# Altium PCB SupBigBrrg_0.PcbDoc (part 27 of 29)
Units mm, origin at the board's own origin, x right, y up, seen from the top; angles counter-clockwise.
Board outline 400 x 344 mm, 6 copper layers (TopLayer, PlaneGnd, PlanePwr, MidLayer3, MidLayer4, BottomLayer); 1288 components, 1323 nets, 5024 pads, 1078 vias.
Unrouted connection lines stored in the file: 1824.
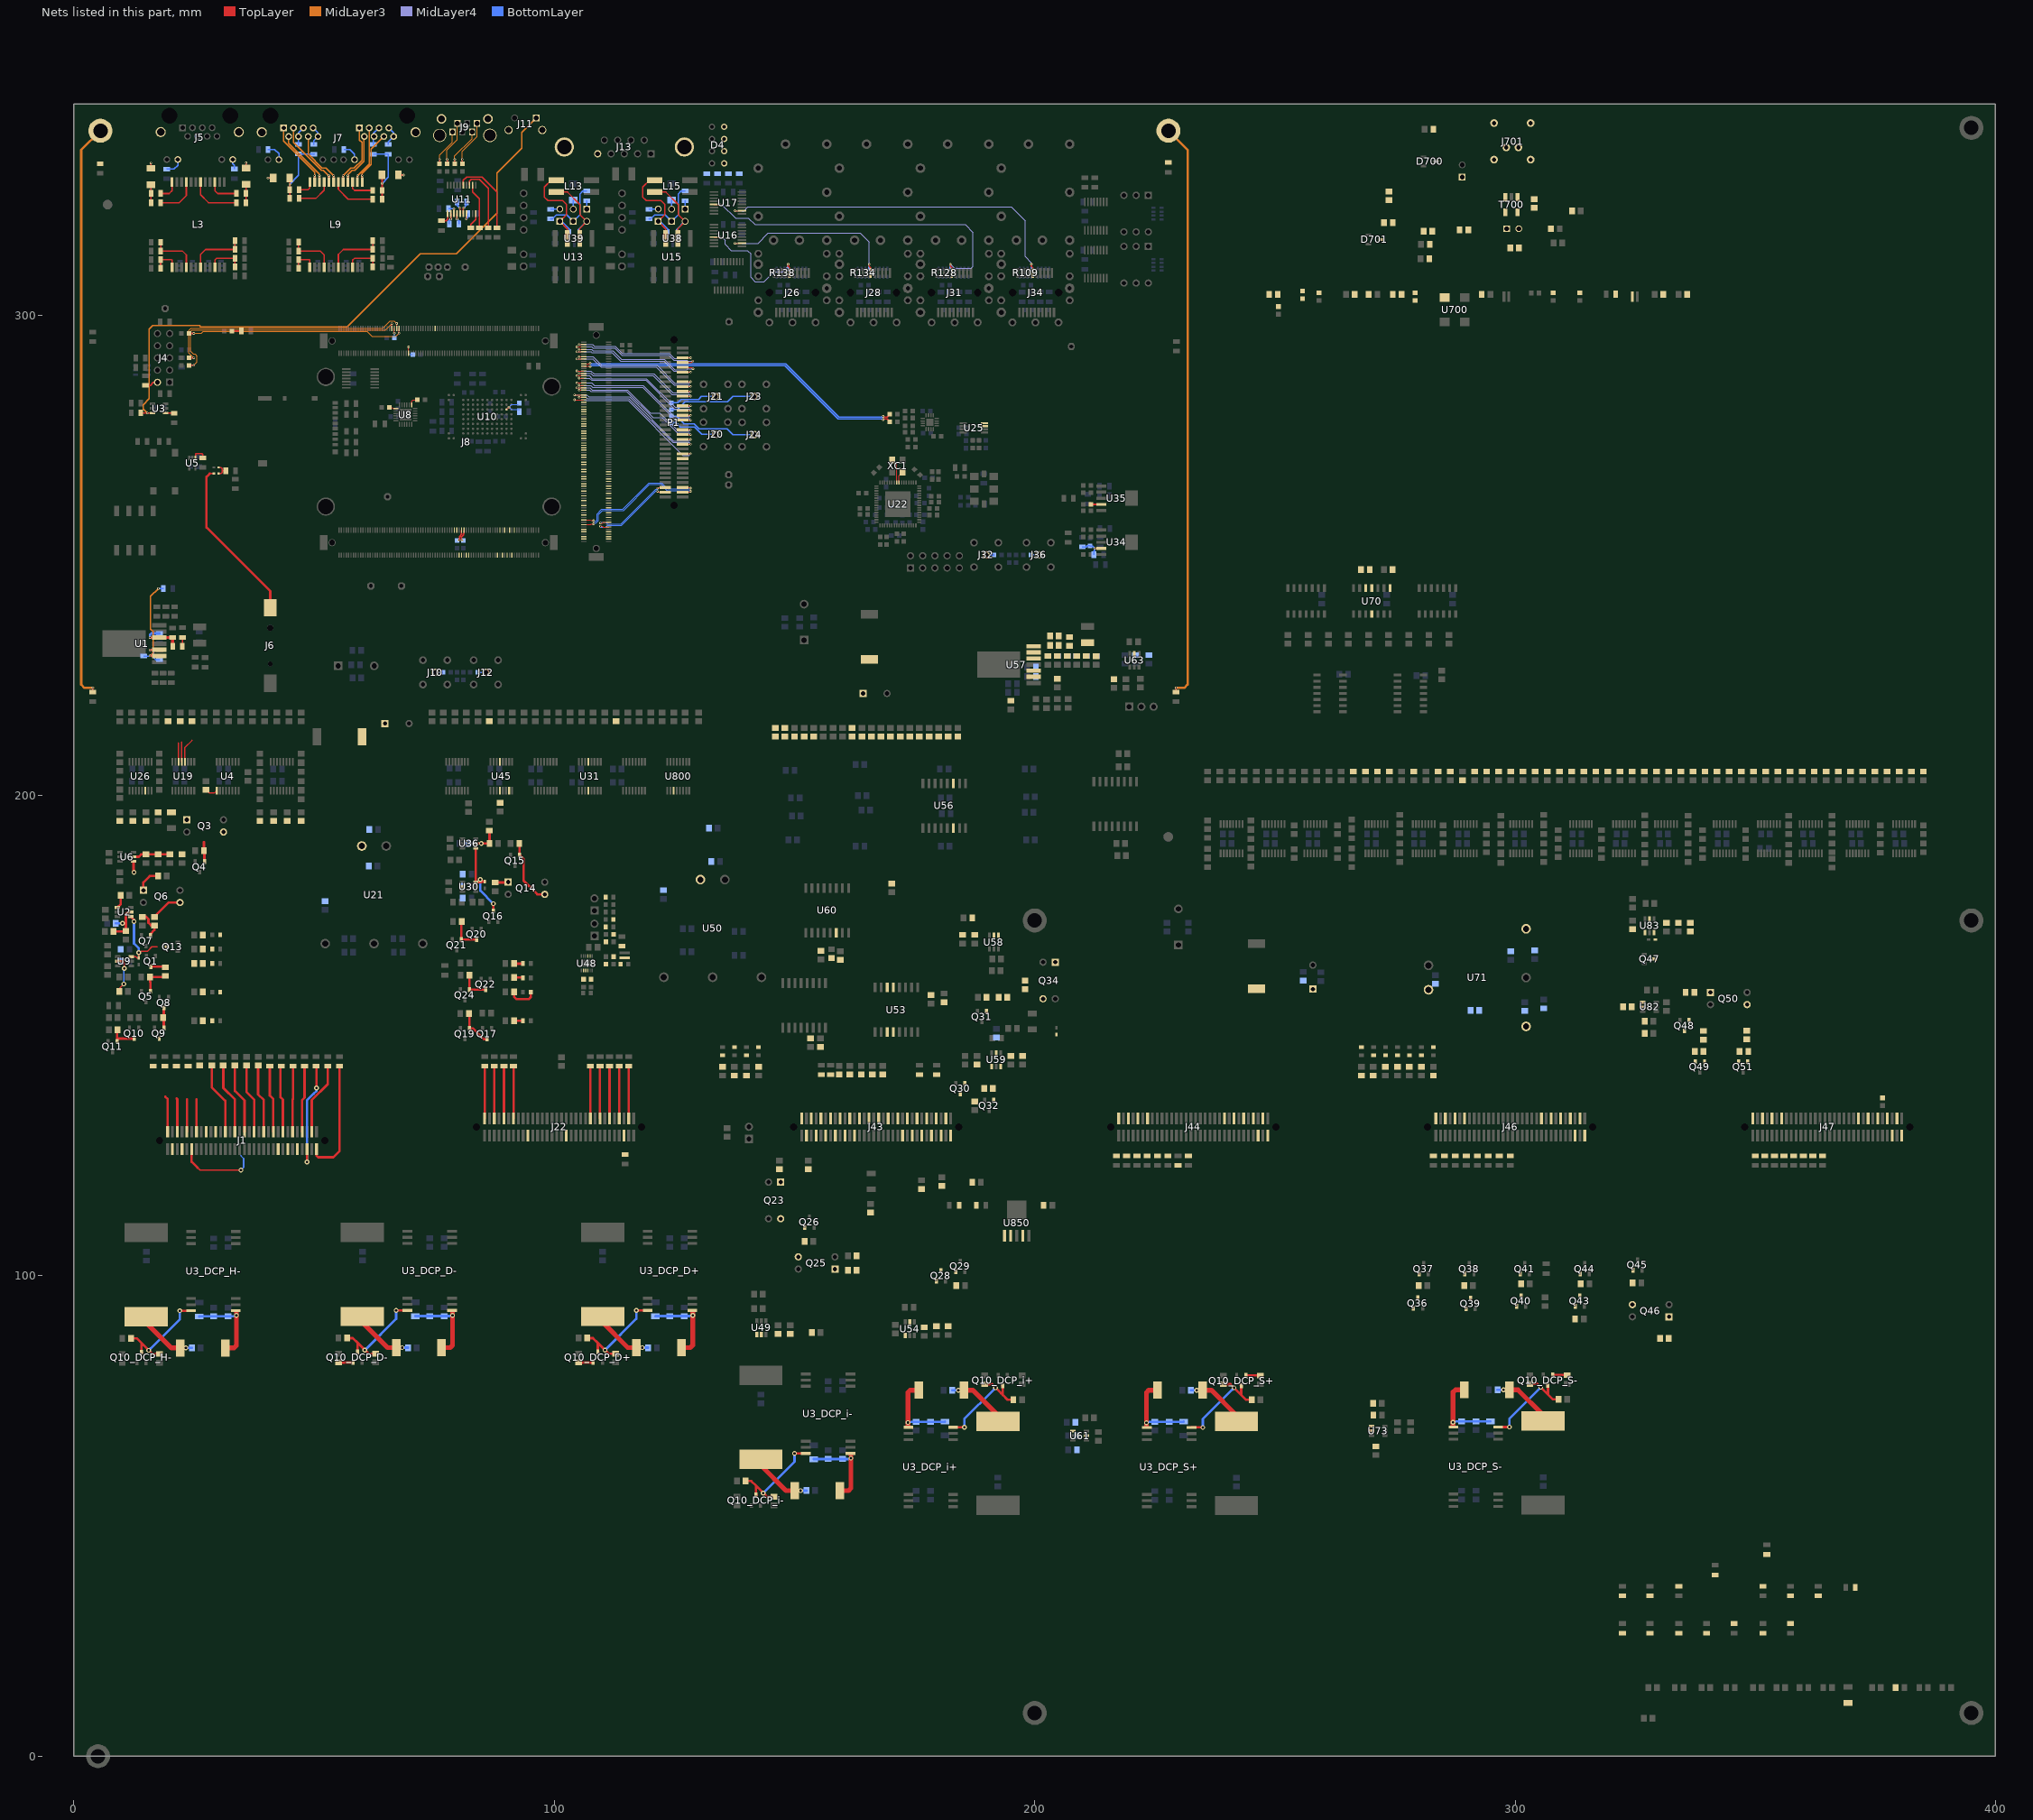
[diagram p31: the nets of this part, all layers, seen from the top]

## Via types
v1: diameter 0.5, hole 0.2, TopLayer to BottomLayer, tented both sides, 972 vias
v2: diameter 1, hole 0.5, TopLayer to BottomLayer, 104 vias
v3: diameter 0.5, hole 0.2, TopLayer to BottomLayer, 2 vias

## Nets (pads, with @x,y where several pads share a name; then routed paths per layer and width w, separated by ;. In a path a pad name is that pad's centre, name@x,y a point inside that pad or via, vN(x,y) a via of type N, cw(c..) or ccw(c..) an arc to the next point about the centre after c; other vN are vias at no path point) (continued)
IO_CL_FX1: J8.C3 R502.2
IO_CL_FX2: J8.C5 R503.2
IO_CL_FX3: J8.C7 R506.2
IO_CL_FX4: J8.C9 R507.2
IO_CL_FX5: J8.C21 R508.2
IO_CL_FX6: J8.C25 R509.2
IO_CL_FX7: J8.C29 R492.2
IO_CL_FX8: J8.C33 R493.2
IO_CL_FX9: J8.C37 R494.2
IO_CL_FX10: J8.C41 R495.2
IO_CL_FX11: J8.C45 U70.11
IO_CL_FX12: J8.C47
IO_CL_FX13: J8.C51
IO_CL_FX14: J8.C53
IO_CL_FX15: J8.C57
IO_CL_FX16: J8.C59
IO_CLK4N_AL26: J8.A87
IO_CR1: J8.C66 R403.2
IO_CR2: J8.C68 R409.2
IO_CR3: J8.C72 R414.2
IO_CR4: J8.C74 R415.1
IO_CR5: J8.C78 R417.2
IO_CR6: J8.C80 R420.2
IO_CR7: J8.C82 R382.2
IO_CR8: J8.C84 R384.2
IO_CR9: J8.C88 R389.2
IO_CR10: J8.C90 R393.2
IO_CR11: J8.C92 R444.2
IO_CR12: J8.C94 R447.2
IO_CR13: J8.C98 R448.2
IO_CR14: J8.C100 R450.2
IO_CR15: J8.C102 R435.2
IO_CR16: J8.C104 R439.2
IO_CR17: J8.C108 R441.2
IO_CR18: J8.C110 R443.2
IO_CR19: J8.C112 R421.2
IO_CR20: J8.C114 R426.2
IO_CR21: J8.C118 P1.17
IO_CR22: J8.C120 P1.19 | length 32.7
  TopLayer w0.15: v1(104.2,282.4) J8.C120@106.125,282.4 ; P1.19@126.7,271.15 v1(128.375,271.15)
  MidLayer4 w0.15: v1@104.2,282.395 106.58,282.395 106.7,282.275 115.345,282.275 126.78,270.84 128.065,270.84 v1(128.375,271.15)
IO_CR23: J8.C122 P1.23 | length 29.9
  TopLayer w0.15: v1(105.175,282.9) J8.C122@106.125,282.9 ; P1.23@126.7,273.15 v1(128.375,273.15)
  MidLayer4 w0.15: v1(105.175,282.9) 106.575,282.9 106.85,282.625 115.525,282.625 124.66,273.49 128.035,273.49 v1(128.375,273.15)
IO_CR24: J8.C124 P1.25 | length 31.9
  TopLayer w0.15: v1(104.2,283.4) J8.C124@106.125,283.4 ; P1.25@126.7,274.15 v1(128.375,274.15)
  MidLayer4 w0.15: v1(104.2,283.4) 106.775,283.4 107.2,282.975 115.67,282.975 124.805,273.84 128.065,273.84 v1(128.375,274.15)
IO_CR25: J8.C128 P1.27 | length 29.7
  TopLayer w0.15: v1(105.175,284.4) J8.C128@106.125,284.4 ; P1.27@126.7,275.15 v1(128.375,275.15)
  MidLayer4 w0.15: v1(105.175,284.4) 107.35,284.4 107.625,284.125 115.05,284.125 120.525,278.65 122.475,278.65 125.635,275.49 128.035,275.49 v1(128.375,275.15)
IO_CR26: J8.C130 P1.29 | length 30.7
  TopLayer w0.15: v1(104.7,284.9) J8.C130@106.125,284.9 ; P1.29@126.7,276.15 v1(128.375,276.15)
  MidLayer4 w0.15: v1(104.7,284.9) 107.45,284.9 107.904,284.446 115.183,284.446 119.979,279.65 121.97,279.65 125.78,275.84 128.065,275.84 v1(128.375,276.15)
IO_CR27: J8.C132 P1.33 | length 28.8
  TopLayer w0.15: v1(105.175,285.4) J8.C132@106.125,285.4 ; P1.33@126.7,278.15 v1(128.375,278.15)
  MidLayer4 w0.15: v1(105.175,285.4) 107.575,285.4 108,284.975 118.375,284.975 124.86,278.49 128.035,278.49 v1(128.375,278.15)
IO_CR28: J8.C134 P1.35 | length 29.8
  TopLayer w0.15: v1(104.7,285.9) J8.C134@106.125,285.9 ; P1.35@126.7,279.15 v1(128.375,279.15)
  MidLayer4 w0.15: v1(104.7,285.9) 107.775,285.9 108.35,285.325 118.52,285.325 125.005,278.84 128.065,278.84 v1(128.375,279.15)
IO_CR29: J8.C138 P1.37 | length 28.6
  TopLayer w0.15: v1(105.175,286.9) J8.C138@106.125,286.9 ; P1.37@126.7,280.15 v1(128.375,280.15)
  MidLayer4 w0.15: v1(105.175,286.9) 107.325,286.9 107.775,286.45 119.025,286.45 124.985,280.49 128.035,280.49 v1(128.375,280.15)
IO_CR30: J8.C140 P1.39 | length 29.6
  TopLayer w0.15: v1(104.7,287.4) J8.C140@106.125,287.4 ; P1.39@126.7,281.15 v1(128.375,281.15)
  MidLayer4 w0.15: v1(104.7,287.4) 107.3,287.4 107.9,286.8 119.17,286.8 125.13,280.84 128.065,280.84 v1(128.375,281.15)
IO_CR31: J8.C142 P1.43 | length 27.8
  TopLayer w0.15: v1(105.175,287.9) J8.C142@106.125,287.9 ; P1.43@126.7,283.15 v1(128.375,283.15)
  MidLayer4 w0.15: v1(105.175,287.9) 107.625,287.9 108.075,287.45 120.575,287.45 124.535,283.49 128.035,283.49 v1(128.375,283.15)
IO_CR32: J8.C144 P1.45 | length 28.8
  TopLayer w0.15: v1(104.7,288.4) J8.C144@106.125,288.4 ; P1.45@126.7,284.15 v1(128.375,284.15)
  MidLayer4 w0.15: v1(104.7,288.4) 107.625,288.4 108.225,287.8 120.72,287.8 124.68,283.84 128.065,283.84 v1(128.375,284.15)
IO_CR33: C41.2 J8.C148 | length 68.7
  TopLayer w0.15: J8.C148@106.125,289.4 107.378,289.4 v1(107.45,289.327)
  TopLayer w0.25: v1(168.425,278.265) 168.548,278.388 169.313,278.388 C41.2@169.825,277.875
  BottomLayer w0.25: v1(107.45,289.327) 107.573,289.45 108.05,289.45 148.011,289.45 159.074,278.388 168.303,278.388 v1(168.425,278.265)
IO_CR34: C42.2 J8.C150 | length 68.7
  TopLayer w0.15: J8.C150@106.125,289.9 107.353,289.9 v1(107.45,289.997)
  TopLayer w0.25: v1(168.425,278.935) 168.548,278.813 169.313,278.813 C42.2@169.825,279.325
  BottomLayer w0.25: v1(107.45,289.997) 107.573,289.875 108.05,289.875 148.188,289.875 159.25,278.813 168.303,278.813 v1(168.425,278.935)
IO_CR35: J8.C154 P1.47 | length 29.2
  TopLayer w0.15: v1(104.7,290.9) J8.C154@106.125,290.9 ; P1.47@126.7,285.15 v1(128.375,285.15)
  MidLayer4 w0.15: v1(104.7,290.9) 108.025,290.9 108.175,290.75 109.725,289.2 121.25,289.2 124.96,285.49 128.035,285.49 v1(128.375,285.15)
IO_CR36: J8.C156 P1.49 | length 28.3
  TopLayer w0.15: v1(105.175,291.4) J8.C156@106.125,291.4 ; P1.49@126.7,286.15 v1(128.375,286.15)
  MidLayer4 w0.15: v1(105.175,291.4) 108.041,291.4 108.433,291.008 ; 108.423,290.997 109.87,289.55 121.395,289.55 125.105,285.84 128.065,285.84 v1(128.375,286.15)
IO_CR37: J8.C160 P1.53 | length 28.5
  TopLayer w0.15: v1(104.7,292.4) J8.C160@106.125,292.4 ; P1.53@126.7,288.15 v1(128.375,288.15)
  MidLayer4 w0.15: v1(104.7,292.4) 107.65,292.4 107.825,292.225 112.03,292.225 113.83,290.425 122.8,290.425 124.885,288.34 127.585,288.34 127.775,288.15 v1(128.375,288.15)
IO_CR38: J8.C162 P1.55 | length 28.8
  TopLayer w0.15: v1(105.175,292.9) J8.C162@106.125,292.9 ; P1.55@126.7,289.15 128.575,289.15 v1(128.875,288.85)
  MidLayer4 w0.15: v1(105.175,292.9) 107.75,292.9 108.075,292.575 112.175,292.575 113.975,290.775 122.945,290.775 125.03,288.69 127.615,288.69 127.775,288.85 v1(128.875,288.85)
IO_CR39: J8.C164 P1.57 | length 29.1
  TopLayer w0.15: v1(104.7,293.4) J8.C164@106.125,293.4 ; P1.57@126.7,290.15 128.525,290.15 v1(128.825,290.45)
  MidLayer4 w0.15: v1(104.7,293.4) 107.825,293.4 108.075,293.15 112.55,293.15 114.05,291.65 123.8,291.65 124.84,290.61 127.615,290.61 127.775,290.45 v1@128.875,290.45
IO_CR40: J8.C166 P1.59 | length 27.1
  TopLayer w0.15: v1(105.175,293.9) J8.C166@106.125,293.9 ; P1.59@126.7,291.15 v1(128.375,291.15)
  MidLayer4 w0.15: v1(105.175,293.9) 107.925,293.9 108.325,293.5 112.695,293.5 114.195,292 123.945,292 124.985,290.96 127.585,290.96 127.775,291.15 v1(128.375,291.15)
IO_CR_FX1: J8.C4 R428.2
IO_CR_FX2: J8.C6 R430.2
IO_CR_FX3: J8.C10 R481.2
IO_CR_FX4: J8.C12 R485.2
IO_CR_FX5: J8.C24 R486.2
IO_CR_FX6: J8.C28 R487.2
IO_CR_FX7: J8.C32 R472.2
IO_CR_FX8: J8.C36 R477.2
IO_CR_FX9: J8.C40 R478.2
IO_CR_FX10: J8.C44 R479.2
IO_CR_FX11: J8.C48 R453.2
IO_CR_FX12: J8.C50 R460.2
IO_CR_FX13: J8.C54 R463.2
IO_CR_FX14: J8.C56 R465.2
IO_CR_FX15: J8.C60 R500.2
IO_CR_FX16: J8.C62 R501.2
IO_int4: R293.1
IO_int5: R291.1
IO_int6: R278.1
IO_int7: R277.1
IO_int8: R280.1
IO_int9: R282.1
IO_int10: R281.1
IO_int11: R308.1
IO_int12: R306.1
IO_int13: R311.1
IO_int14: R317.1
IO_int15: R313.1
IO_int16: R298.1
IO_int17: R296.1
IO_int18: R300.1
IO_int19: R304.1
IO_int20: R301.1
IO_UPDT: R228.1 U31.13
IO_UPDTdds: J22.30 U31.4
iPOK: C95.1 Q28.1 Q30.1 R279.1 R322.2 R334.1 R850.2 U59.1 U60.6
JTAG_P\R\S\N\T\: J4.2 R11.1 | length 2.8
  TopLayer w0.25: R11.1@14.875,285.375 15.875,285.375 16.52,286.02 J4.2@17.38,286.02
JTAG_TCK: J8.A123 R18.1 | length 52.7
  TopLayer w0.15: J8.A123@66.175,297.25 v1(66.175,298.25)
  TopLayer w0.3: R18.1@23.96,289.56 v1(24.94,289.56)
  MidLayer3 w0.15: v1(24.94,289.56) 25.625,290.245 25.625,291.5 25.175,291.95 24.825,291.95 24.245,292.53 24.245,296.645 24.525,296.925 64.85,296.925 v1(66.175,298.25)
JTAG_TDI: J8.A117 R20.1 | length 45.5
  TopLayer w0.15: v1(67.675,296.25) J8.A117@67.675,297.25
  TopLayer w0.3: R20.1@23.96,296.21 v1(24.94,296.21)
  MidLayer3 w0.15: v1(24.94,296.21) 26.51,296.21 26.89,296.59 61.03,296.59 61.995,295.625 67.05,295.625 v1(67.675,296.25)
JTAG_TDO: J8.A121 R177.1 | length 1.8
  TopLayer w0.15: v1(66.675,296.25) J8.A121@66.675,297.25
  BottomLayer w0.15: R177.1@66.7,295.425 v1@66.7,296.275
JTAG_TMS: J8.A119 R19.1 | length 52.4
  TopLayer w0.15: J8.A119@67.175,297.25 v1(67.175,298.275)
  TopLayer w0.3: R19.1@23.96,291.11 v1(24.94,291.11)
  MidLayer3 w0.15: v1(24.94,291.11) 23.925,292.125 23.925,296.778 24.392,297.245 64.295,297.245 65.825,298.775 66.675,298.775 v1(67.175,298.275)
M_RST: R259.1 U45.13
M_RSTdds: J22.46 U45.4
MGND: C4.1 C22.1 C23.2 C28.1 J5.S1 J5.S2 J7.S1 J7.S2 J9.0 J11.0 J13.5 J13.S1 J13.S2 pad.0@5.5,338.4 pad.0@227.85,338.4 R2.1 R3.1 R79.1 R80.1@229.4,221.55 | length 245.5
  TopLayer w0.3: R2.1@3.925,221.55 v1(3.925,222.425) ; C4.1@16.035,330.585 v1(16.035,331.685) ; C22.1@35.81,330.635 v1(35.81,331.735) ; v1(40.4,328.575) C23.2@41.5,328.575 ; C28.1@67.535,329.185 v1(68.635,329.185) ; R80.1@229.4,221.55 229.4,222.4 v1(229.425,222.425)
  MidLayer3 w0.5: v1@3.95,222.45 v1(3.925,222.425) 2.175,222.425 1.5,223.1 1.5,334.4 pad.0@5.5,338.4 ; pad.0@227.85,338.4 231.85,334.4 231.85,223.1 231.175,222.425 v1(229.425,222.425)
MGT_RX1_N: J8.B28
MGT_RX1_P: J8.B24
MGT_RX2_N: J8.B36
MGT_RX2_P: J8.B32
MGT_RX6N: J8.B62
MGT_RX6P: J8.B60
MGT_RX7N: J8.B68
MGT_RX7P: J8.B66
MGT_RX8.IO_N: J8.C20 P1.5 | length 28.7
  TopLayer w0.15: J8.C20@106.125,257.4 107.5,257.4 107.665,257.235 v1(108.175,257.235) ; P1.5@126.7,264.15 128.175,264.15 v1(128.327,263.998)
  BottomLayer w0.15: v1(108.175,257.235) 108.348,257.062 108.525,257.062 108.875,257.413 108.875,258.635 109.89,259.65 114.275,259.65 119.7,265.075 122.335,265.075 123.585,263.825 128.153,263.825 v1(128.327,263.998)
MGT_RX8.IO_P: J8.C16 P1.3 | length 28.7
  TopLayer w0.15: J8.C16@106.125,256.4 107.55,256.4 107.715,256.565 v1(108.175,256.565) ; P1.3@126.7,263.15 128.153,263.15 v1(128.327,263.323)
  BottomLayer w0.15: v1(108.175,256.565) 108.348,256.737 108.66,256.737 109.2,257.278 109.2,258.5 110.025,259.325 114.41,259.325 119.835,264.75 122.2,264.75 123.45,263.5 128.15,263.5 v1(128.327,263.323)
MGT_TX1_N: J8.B25
MGT_TX1_P: J8.B21
MGT_TX2_N: J8.B33
MGT_TX2_P: J8.B29
MGT_TX6_N: C185.2 J8.B63 | length 2.3
  TopLayer w0.25: v1(80.773,253.175) 80.65,253.297 80.65,253.761 81.138,254.249 81.138,254.537 81.175,254.575 J8.B63@81.175,255.25
MGT_TX6_P: C188.2 J8.B65 | length 2.4
  TopLayer w0.25: v1(80.103,253.175) 80.225,253.297 80.225,253.938 80.713,254.425 80.713,254.538 80.675,254.575 J8.B65@80.675,255.25
  MidLayer3 w0.25: v1(80.103,253.175) v1@80.186,253.175
MGT_TX7N: J8.B71
MGT_TX7P: J8.B69
MGT_TX8.IO_N: J8.C17 P1.6 | length 18.8
  TopLayer w0.15: v1(109.575,256.735) 109.59,256.75 110,256.75 110.15,256.9 J8.C17@111.325,256.9 ; v1(121.476,263.973) 121.653,264.15 P1.6@123.1,264.15
  BottomLayer w0.15: v1(109.575,256.735) 109.735,256.895 110.73,256.895 111.063,256.562 113.863,256.562 121.1,263.8 121.45,263.8 121.476,263.826 v1(121.476,263.973)
MGT_TX8.IO_P: J8.C13 P1.4 | length 18.8
  TopLayer w0.15: v1(109.575,256.065) 109.59,256.05 110,256.05 110.15,255.9 J8.C13@111.325,255.9 ; v1(121.476,263.298) 121.625,263.15 P1.4@123.1,263.15
  BottomLayer w0.15: v1(109.575,256.065) 109.735,255.905 110.73,255.905 111.063,256.237 113.997,256.237 121.235,263.475 121.45,263.475 121.476,263.449 v1(121.476,263.298)
ModDef_SFP0: J26.6 R138.8 U16.5 | length 27.1
  TopLayer w0.15: U16.5@133.255,316.275 v1(134.45,316.275) v1@134.455,316.275
  TopLayer w0.3: v1(148.68,310.595) 148.68,310.195 148.975,309.9 J26.6@148.975,308.8
  MidLayer4 w0.15: v1(134.45,316.275) 134.9,316.275 135.57,315.605 135.57,314.76 136.845,313.485 140.162,313.485 140.89,312.757 140.89,307.935 141.825,307 143.675,307 145.7,309.025 147.525,309.025 148.68,310.18 v1(148.68,310.595)
  BottomLayer w0.15: R138.8@148.68,309.7 v1(148.68,310.595)
ModDef_SFP1: J28.6 R134.8 U16.10 | length 38.4
  TopLayer w0.15: v1(137.6,314.975) U16.10@138.95,314.975
  TopLayer w0.3: v1(165.555,310.595) 165.555,310.195 165.85,309.9 J28.6@165.85,308.8
  MidLayer4 w0.15: v1(137.6,314.975) 142.4,314.975 144.525,317.1 163.675,317.1 165.555,315.22 v1(165.555,310.595)
  BottomLayer w0.15: R134.8@165.555,309.7 v1(165.555,310.595)
ModDef_SFP2: J31.6 R128.8 U17.5 | length 71.5
  TopLayer w0.15: U17.5@133.255,323.05 v1(134.45,323.05) v1@134.455,323.05
  TopLayer w0.3: v1(182.43,310.595) 182.43,310.195 182.725,309.9 J31.6@182.725,308.8
  MidLayer4 w0.15: v1(134.45,323.05) 134.875,323.05 137.705,320.22 140.392,320.22 141.742,318.87 185.517,318.87 187.15,317.237 187.15,311.138 187.145,311.133 187.145,310.117 186.778,309.75 183.275,309.75 v1(182.43,310.595)
  BottomLayer w0.15: R128.8@182.43,309.7 v1(182.43,310.595)
ModDef_SFP3: J34.6 R109.8 U17.10 | length 75.7
  TopLayer w0.15: v1(137.6,321.75) U17.10@138.95,321.75
  TopLayer w0.3: v1(199.305,310.595) 199.305,310.195 199.6,309.9 J34.6@199.6,308.8
  MidLayer4 w0.15: v1(137.6,321.75) 139.5,321.75 140.32,322.57 195.108,322.57 198.025,319.653 198.025,312.225 199.305,310.945 v1(199.305,310.595)
  BottomLayer w0.15: R109.8@199.305,309.7 v1(199.305,310.595)
MX0: R83.1 U19.14 | length 3.9
  TopLayer w0.3: U19.14@21.775,207.071 21.775,210.925
MX0_Host2i: R277.2 U56.3
MX0i: J43.50 U56.14
MX1: R97.1 U19.13 | length 4.1
  TopLayer w0.3: U19.13@22.425,207.071 22.425,211.175
MX1_Host2i: R278.2 U53.5
MX1i: J43.46 U53.12
MX2: R52.1 U19.12 | length 5.1
  TopLayer w0.3: U19.12@23.075,207.071 23.075,209.975 24.6,211.5
MX2_Host2i: R291.2 U53.6
MX2i: J43.42 U53.11
NetC2_1: C2.1 R50.2 R51.2 U2.2 | length 9.5
  TopLayer w0.5: R50.2@8.2,171.7 10.7,171.7 R51.2@10.8,171.8 10.8,173.4 ; v2(10.1,173.4) 10.8,173.4 ; U2.2@11.849,175.75 11.15,175.75 10.8,175.4 10.8,173.4
  BottomLayer w0.5: C2.1@8.7,173.4 v2(10.1,173.4)
NetC4_2: C4.2 R12.1 R13.1 | length 3.8
  TopLayer w0.3: R12.1@16.035,323.435 R13.1@16.035,325.335 16.035,326.885 C4.2@16.26,327.11
NetC5_2: C5.2 L3.1 L7.1@18.06,311.585 | length 5.7
  TopLayer w0.3: C5.2@18.035,309.785 18.035,311.56 L7.1@18.06,311.585 20.275,311.585 20.41,311.45 L3.1@20.41,310
NetC6_2: C6.2 L2.1 L3.4 | length 10
  TopLayer w0.3: C6.2@18.06,315.185 L2.1@18.06,313.385 22.56,313.385 23.38,312.565 L3.4@23.38,310
NetC8_DCP_D+_2: C8_DCP_D+.2 L17_DCP_D+.2 L18_DCP_D+.1 | length 12.9
  TopLayer w0.5: L18_DCP_D+.1@117.1,85.05 v2(118.3,85.05)
  TopLayer w1: L17_DCP_D+.2@110.05,91.55 110.05,90.3 115.3,85.05 L18_DCP_D+.1@117.1,85.05
  BottomLayer w0.5: v2(118.3,85.05) C8_DCP_D+.2@119.55,85.05
NetC8_DCP_D-_2: C8_DCP_D-.2 L17_DCP_D-.2 L18_DCP_D-.1 | length 12.9
  TopLayer w0.5: L18_DCP_D-.1@67.1,85.05 v2(68.3,85.05)
  TopLayer w1: L17_DCP_D-.2@60.05,91.55 60.05,90.3 65.3,85.05 L18_DCP_D-.1@67.1,85.05
  BottomLayer w0.5: v2(68.3,85.05) C8_DCP_D-.2@69.55,85.05
NetC8_DCP_H-_2: C8_DCP_H-.2 L17_DCP_H-.2 L18_DCP_H-.1 | length 12.9
  TopLayer w0.5: L18_DCP_H-.1@22.1,85 v2(23.3,85)
  TopLayer w1: L17_DCP_H-.2@15.05,91.5 15.05,90.25 20.3,85 L18_DCP_H-.1@22.1,85
  BottomLayer w0.5: v2(23.3,85) C8_DCP_H-.2@24.55,85
NetC8_DCP_i+_2: C8_DCP_i+.2 L17_DCP_i+.2 L18_DCP_i+.1 | length 12.9
  TopLayer w0.5: v2(184.1,76.215) L18_DCP_i+.1@185.3,76.215
  TopLayer w1: L18_DCP_i+.1@185.3,76.215 187.1,76.215 192.35,70.965 L17_DCP_i+.2@192.35,69.715
  BottomLayer w0.5: C8_DCP_i+.2@182.85,76.215 v2(184.1,76.215)
NetC8_DCP_i-_2: C8_DCP_i-.2 L17_DCP_i-.2 L18_DCP_i-.1 | length 12.9
  TopLayer w0.5: L18_DCP_i-.1@150.05,55.3 v2(151.25,55.3)
  TopLayer w1: L17_DCP_i-.2@143,61.8 143,60.55 148.25,55.3 L18_DCP_i-.1@150.05,55.3
  BottomLayer w0.5: v2(151.25,55.3) C8_DCP_i-.2@152.5,55.3
NetC8_DCP_S+_2: C8_DCP_S+.2 L17_DCP_S+.2 L18_DCP_S+.1 | length 12.9
  TopLayer w0.5: v2(233.75,76.2) L18_DCP_S+.1@234.95,76.2
  TopLayer w1: L18_DCP_S+.1@234.95,76.2 236.75,76.2 242,70.95 L17_DCP_S+.2@242,69.7
  BottomLayer w0.5: C8_DCP_S+.2@232.5,76.2 v2(233.75,76.2)
NetC8_DCP_S-_2: C8_DCP_S-.2 L17_DCP_S-.2 L18_DCP_S-.1 | length 12.9
  TopLayer w0.5: v2(297.6,76.285) L18_DCP_S-.1@298.8,76.285
  TopLayer w1: L18_DCP_S-.1@298.8,76.285 300.6,76.285 305.85,71.035 L17_DCP_S-.2@305.85,69.785
  BottomLayer w0.5: C8_DCP_S-.2@296.35,76.285 v2(297.6,76.285)
NetC10_DCP_D+_2: C10_DCP_D+.2 C11_DCP_D+.2 C12_DCP_D+.2 L18_DCP_D+.2 U3_DCP_D+.1 | length 17.5
  TopLayer w0.5: 128.55,92.3 128.55,92.645 U3_DCP_D+.1@128.7,92.795 ; v2@129.05,92.05 129.05,92.445
  TopLayer w1: L18_DCP_D+.2@126.5,85.05 128.3,85.05 128.8,85.55 v2(128.8,91.8)
  BottomLayer w0.5: C11_DCP_D+.2@121.05,91.6 121.075,91.625 C10_DCP_D+.2@124.05,91.625 C12_DCP_D+.2@127.05,91.625 128.625,91.625 v2(128.8,91.8)
NetC10_DCP_D-_2: C10_DCP_D-.2 C11_DCP_D-.2 C12_DCP_D-.2 L18_DCP_D-.2 U3_DCP_D-.1 | length 17.5
  TopLayer w0.5: 78.55,92.3 78.55,92.645 U3_DCP_D-.1@78.7,92.795 ; v2@79.05,92.05 79.05,92.445
  TopLayer w1: L18_DCP_D-.2@76.5,85.05 78.3,85.05 78.8,85.55 v2(78.8,91.8)
  BottomLayer w0.5: C11_DCP_D-.2@71.05,91.6 71.075,91.625 C10_DCP_D-.2@74.05,91.625 C12_DCP_D-.2@77.05,91.625 78.625,91.625 v2(78.8,91.8)
NetC10_DCP_H-_2: C10_DCP_H-.2 C11_DCP_H-.2 C12_DCP_H-.2 L18_DCP_H-.2 U3_DCP_H-.1 | length 17.5
  TopLayer w0.5: 33.55,92.25 33.55,92.595 U3_DCP_H-.1@33.7,92.745 ; v2@34.05,92 34.05,92.395
  TopLayer w1: L18_DCP_H-.2@31.5,85 33.3,85 33.8,85.5 v2(33.8,91.75)
  BottomLayer w0.5: C11_DCP_H-.2@26.05,91.55 26.075,91.575 C10_DCP_H-.2@29.05,91.575 C12_DCP_H-.2@32.05,91.575 33.625,91.575 v2(33.8,91.75)
NetC10_DCP_i+_2: C10_DCP_i+.2 C11_DCP_i+.2 C12_DCP_i+.2 L18_DCP_i+.2 U3_DCP_i+.1 | length 17.5
  TopLayer w0.5: 173.35,68.82 v2@173.35,69.215 ; U3_DCP_i+.1@173.7,68.47 173.85,68.62 173.85,68.965
  TopLayer w1: v2(173.6,69.465) 173.6,75.715 174.1,76.215 L18_DCP_i+.2@175.9,76.215
  BottomLayer w0.5: v2(173.6,69.465) 173.775,69.64 C12_DCP_i+.2@175.35,69.64 C10_DCP_i+.2@178.35,69.64 181.325,69.64 C11_DCP_i+.2@181.35,69.665
NetC10_DCP_i-_2: C10_DCP_i-.2 C11_DCP_i-.2 C12_DCP_i-.2 L18_DCP_i-.2 U3_DCP_i-.1 | length 17.5
  TopLayer w0.5: 161.5,62.55 161.5,62.895 U3_DCP_i-.1@161.65,63.045 ; v2@162,62.3 162,62.695
  TopLayer w1: L18_DCP_i-.2@159.45,55.3 161.25,55.3 161.75,55.8 v2(161.75,62.05)
  BottomLayer w0.5: C11_DCP_i-.2@154,61.85 154.025,61.875 C10_DCP_i-.2@157,61.875 C12_DCP_i-.2@160,61.875 161.575,61.875 v2(161.75,62.05)
NetC10_DCP_S+_2: C10_DCP_S+.2 C11_DCP_S+.2 C12_DCP_S+.2 L18_DCP_S+.2 U3_DCP_S+.1 | length 17.5
  TopLayer w0.5: 223,68.805 v2@223,69.2 ; U3_DCP_S+.1@223.35,68.455 223.5,68.605 223.5,68.95
  TopLayer w1: v2(223.25,69.45) 223.25,75.7 223.75,76.2 L18_DCP_S+.2@225.55,76.2
  BottomLayer w0.5: v2(223.25,69.45) 223.425,69.625 C12_DCP_S+.2@225,69.625 C10_DCP_S+.2@228,69.625 230.975,69.625 C11_DCP_S+.2@231,69.65
NetC10_DCP_S-_2: C10_DCP_S-.2 C11_DCP_S-.2 C12_DCP_S-.2 L18_DCP_S-.2 U3_DCP_S-.1 | length 17.5
  TopLayer w0.5: 286.85,68.89 v2@286.85,69.285 ; U3_DCP_S-.1@287.2,68.54 287.35,68.69 287.35,69.035
  TopLayer w1: v2(287.1,69.535) 287.1,75.785 287.6,76.285 L18_DCP_S-.2@289.4,76.285
  BottomLayer w0.5: v2(287.1,69.535) 287.275,69.71 C12_DCP_S-.2@288.85,69.71 C10_DCP_S-.2@291.85,69.71 294.825,69.71 C11_DCP_S-.2@294.85,69.735
NetC13_1: C13.1 R17.2 | length 1.8
  TopLayer w0.3: R17.2@22.56,232.935 22.56,231.16 C13.1@22.61,231.11
NetC13_2: C13.2 R16.2 R194.1 U1.5 | length 9.2
  TopLayer w0.5: v1(15.82,232.88) U1.5@17.76,232.88
  TopLayer w0.6: U1.5@17.76,232.88 17.76,232.885 R16.2@20.535,232.885 C13.2@20.535,231.11
  BottomLayer w0.5: v1(15.82,232.88) 15.82,233.445 16.135,233.76 R194.1@17.785,233.76
NetC14_1: C14.1 U3.4 | length 1.8
  TopLayer w0.25: U3.4@19.035,279.635 20.84,279.635 C14.1@20.85,279.625
NetC20_2: C20.2 L3.10 L5.1 | length 7.6
  TopLayer w0.3: L3.10@29.32,310 29.32,311.495 29.71,311.885 L5.1@33.51,311.885 C20.2@33.51,310.085
NetC21_1: C21.1@376.5,137.05 U22.9 XC1.3 | length 5.2
  TopLayer w0.15: XC1.3@170.325,269.9 171.275,268.95 U22.9@171.275,265.125
NetC21_2: C21.2@33.51,315.485 L3.7 L6.1 | length 12
  TopLayer w0.3: L3.7@26.35,310 26.35,312.65 27.385,313.685 L6.1@33.51,313.685 C21.2@33.51,315.485
NetC22_2: C22.2 R23.1 R24.1 | length 3.6
  TopLayer w0.3: C22.2@35.585,326.985 35.81,326.76 R24.1@35.81,325.335 R23.1@35.81,323.435
NetC23_1: C23.1 R26.1 R27.1 R183.2 R184.2 | length 14.7
  TopLayer w0.3: R26.1@44.91,324.31 R27.1@44.91,326.16 C23.1@44.91,328.425
  BottomLayer w0.25: v1(44.925,327.275) 46.76,329.11 R184.2@46.76,333.56 46.785,333.535 R183.2@49.96,333.535 ; R183.2@49.96,333.41 R183.2@50.085,333.535
  BottomLayer w0.3: R183.2@49.96,333.535 R183.2@50.085,333.535
NetC24_2: C24.2 L7.1@46.755,311.585 L9.1 | length 5.7